# Altium PCB PCB1.PcbDoc (part 2 of 4)
Units mil, origin at the board's own origin, x right, y up, seen from the top; angles counter-clockwise.
Board outline 1130 x 1815 mil, 2 copper layers (Top Layer, Bottom Layer); 375 components, 18 nets, 1650 pads, 0 vias.
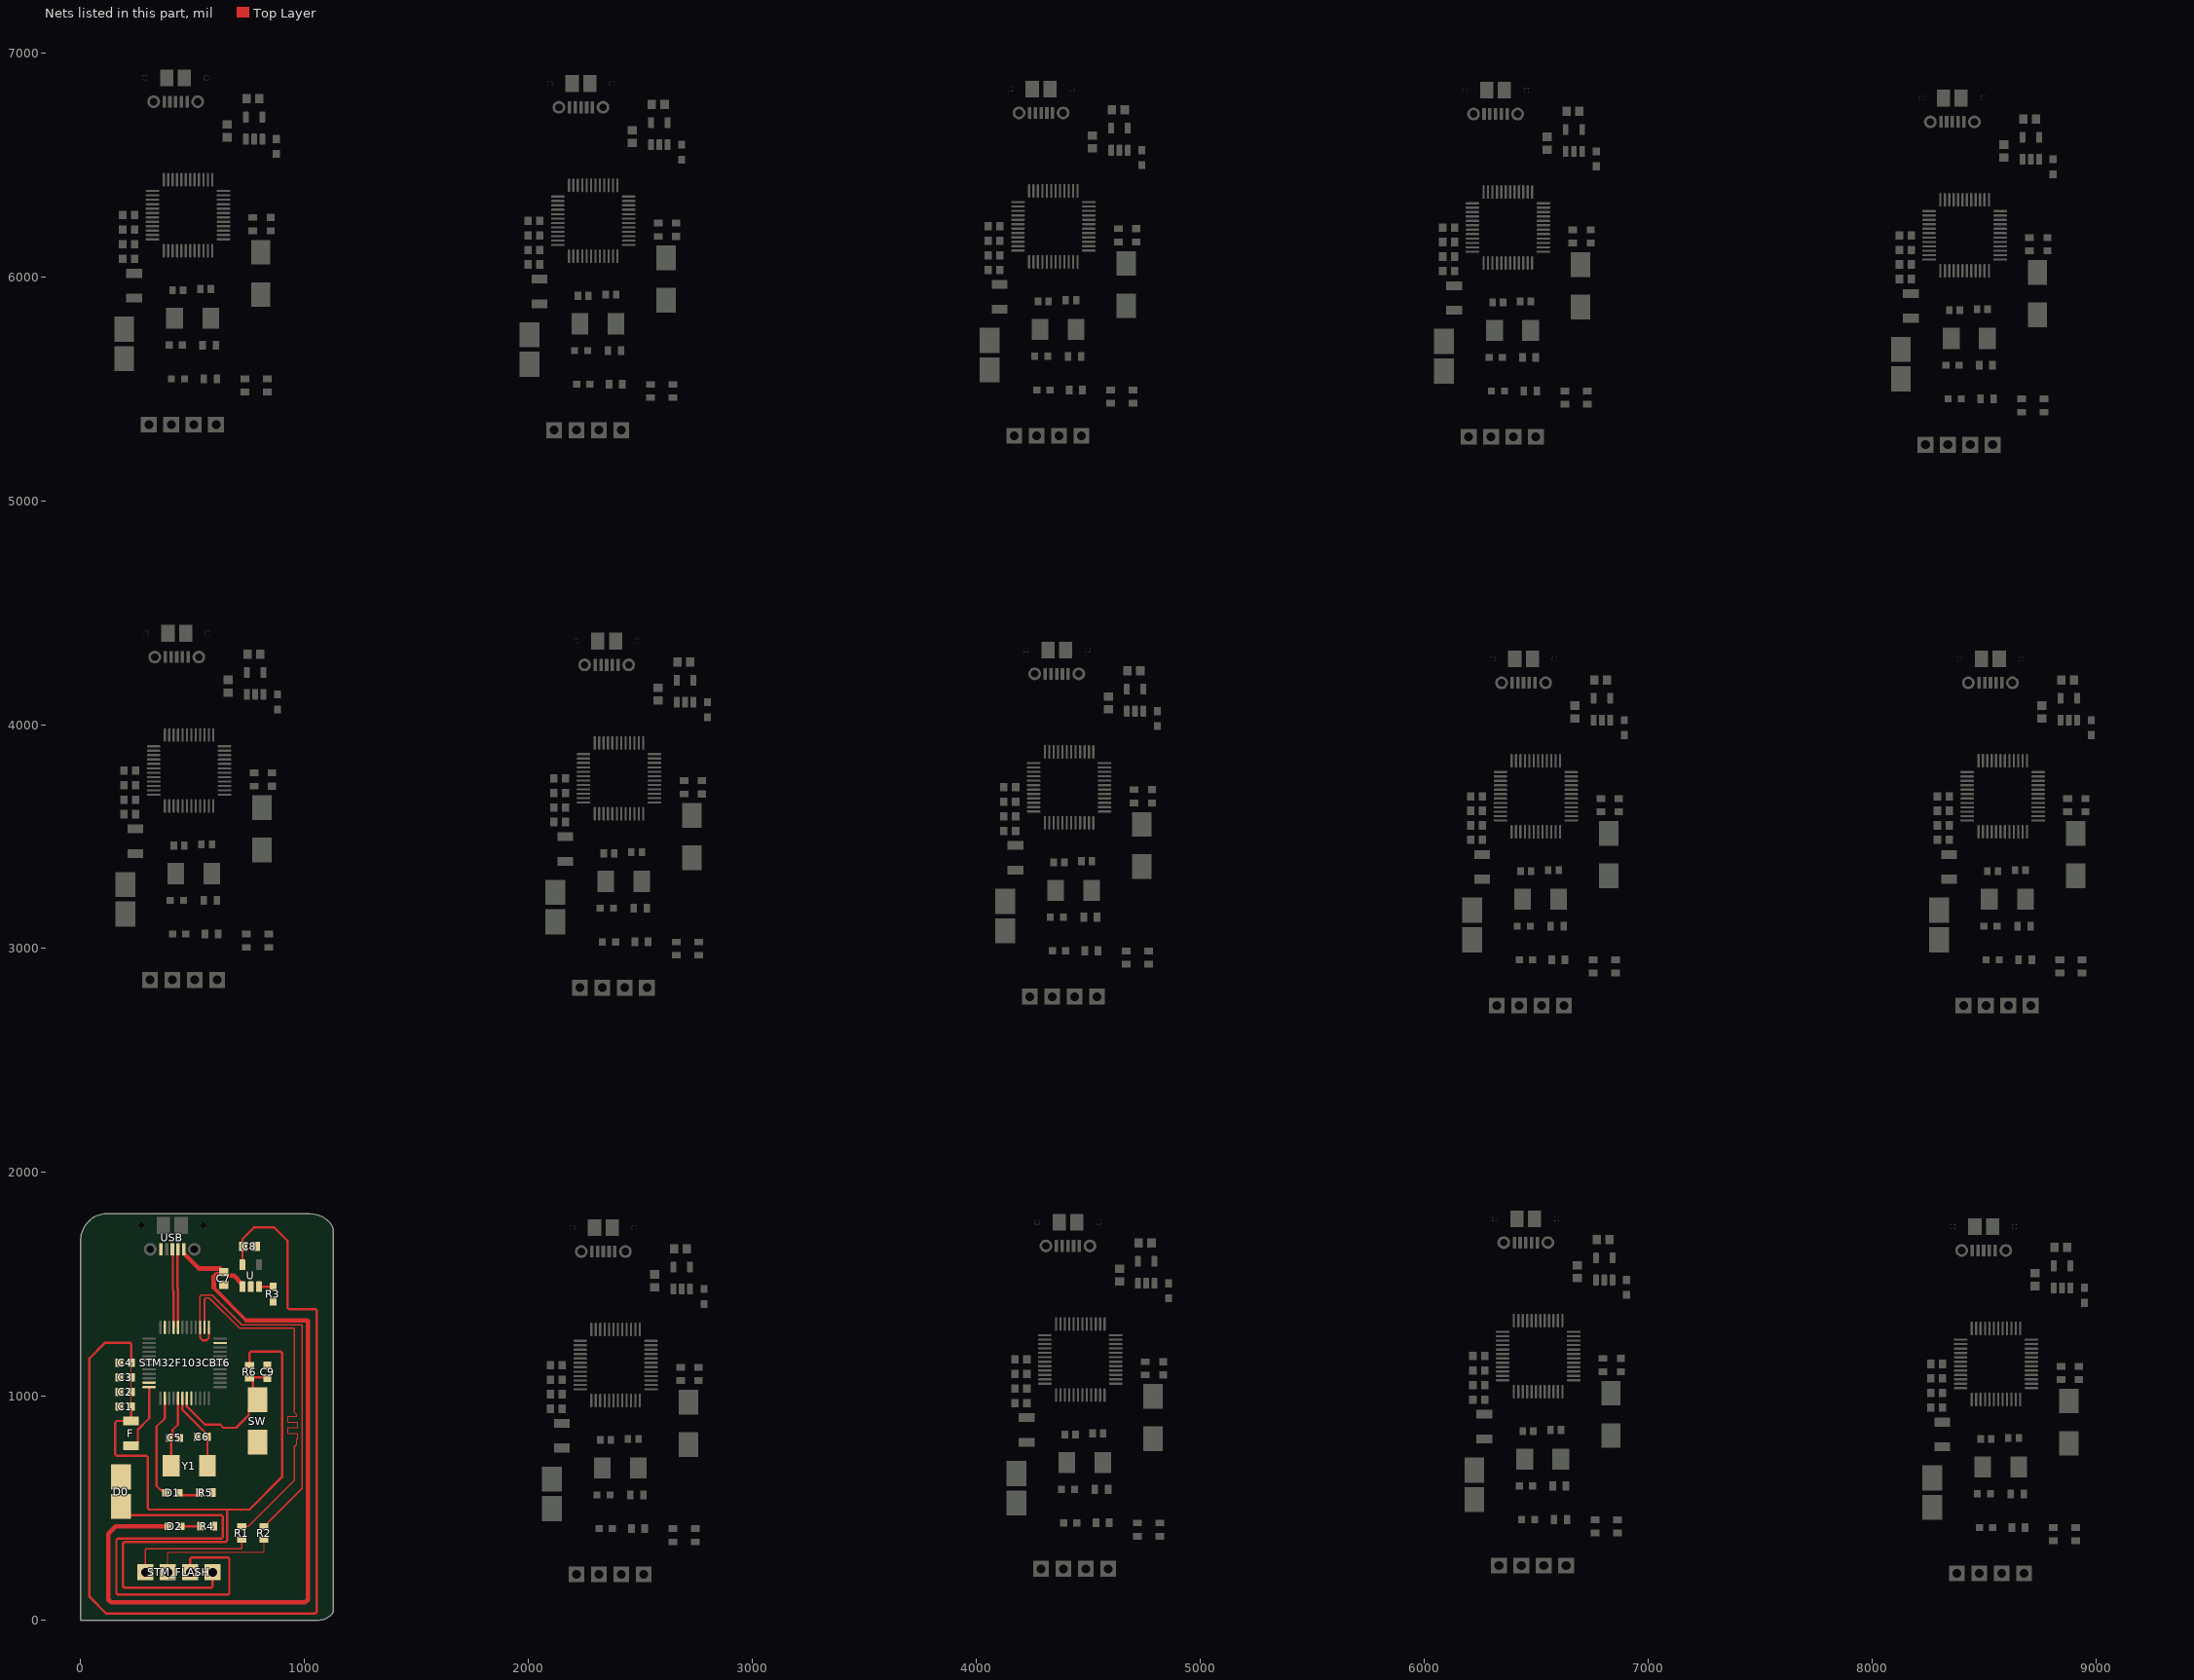
[diagram p2: the nets of this part, all layers, seen from the top]

## Part data
C1 C1_1 C1_2 C1_3 C1_4 C1_5 C1_6 C1_7 C1_8 C1_9 C1_10 C1_11 C1_12 C1_13 C1_14 C2 C2_1 C2_2 C2_3 C2_4 C2_5 C2_6 C2_7 C2_8 C2_9 C2_10 C2_11 C2_12 C2_13 C2_14 C3 C3_1 C3_2 C3_3 C3_4 C3_5 C3_6 C3_7 C3_8 C3_9 C3_10 C3_11 C3_12 C3_13 C3_14 C4 C4_1 C4_2 C4_3 C4_4 C4_5 C4_6 C4_7 C4_8 C4_9 C4_10 C4_11 C4_12 C4_13 C4_14: library part CMP-2006-02595-1, Manufacturer=Murata, Part Number=GRM1885C1H101JA01D
C5 C5_1 C5_2 C5_3 C5_4 C5_5 C5_6 C5_7 C5_8 C5_9 C5_10 C5_11 C5_12 C5_13 C5_14 C6 C6_1 C6_2 C6_3 C6_4 C6_5 C6_6 C6_7 C6_8 C6_9 C6_10 C6_11 C6_12 C6_13 C6_14: library part CMP-2006-03061-2, "CAP CER 0.1UF 50V X7R 0603", Capacitance="0.10 μF", Manufacturer=KEMET, Manufacturer Part Number=C0603C104K5RACTU, Package=C0603C-CF, Temperature="-55°C to +125°C", Temperature Characteristic=X7R, Temperature Coefficient=30ppm/°C, Temperature Range High=+125°C, Temperature Range Low=-55°C, Tolerance=0.1, Voltage Rating="50 V", Automotive=Yes, Automotive Grade="Grade 1", Category=Cap, ComponentLink2Description=Datasheet, ComponentLink2URL=https://api.kemet.com/component-edge/download/datasheet/C0603C100J5GACAUTO.pdf, Device Class L1="Passive Components", Device Class L2=Capacitors, Device Class L3="Ceramic Capacitors", Digikey Description="CAP CER 0.1UF 50V X7R 0603", Height=0.87mm, Lead Free=Yes, Material=Ceramic, Octopart=https://octopart.com/c0603c104k5ractu-kemet-139244, RoHS=TRUE
C7 C7_1 C7_2 C7_3 C7_4 C7_5 C7_6 C7_7 C7_8 C7_9 C7_10 C7_11 C7_12 C7_13 C7_14 C8 C8_1 C8_2 C8_3 C8_4 C8_5 C8_6 C8_7 C8_8 C8_9 C8_10 C8_11 C8_12 C8_13 C8_14: library part CMP-2000-04945-1, "Chip Capacitor, 22 pF, +/- 5%, 50 V, -55 to 125 degC, 0603 (1608 Metric), RoHS, Tape and Reel", Capacitance=22pF, Case Size/Dimension=0603, Dielectric=C0G, Manufacturer=Murata, Package Description="2-Pin Surface Mount Device, Body 1.6 x 0.8 mm", Package Reference=603, Rated Voltage=50V, Tolerance (%)=±5%, Datasheet URL=https://datasheet.ciiva.com/11786/0900766b807a1cab-11786398.pdf, Datasheet Version=Jul-06, Manufacturer URL=http://www.murata.com/
C9 C9_1 C9_2 C9_3 C9_4 C9_5 C9_6 C9_7 C9_8 C9_9 C9_10 C9_11 C9_12 C9_13 C9_14: library part CMP-2000-05002-2, "CAP CER 0.1UF 16V X7R 0603", Capacitance="100 nF", Manufacturer=YAGEO, Manufacturer Part Number=CC0603KRX7R7BB104, Package=CC0603-DA, Temperature="-55°C to +125°C", Temperature Characteristic=X7R, Temperature Coefficient=15%, Temperature Range High=+125°C, Temperature Range Low=-55°C, Tolerance=0.1, Voltage="16 V", Automotive=No, Category=Cap, ComponentLink2Description=Datasheet, ComponentLink2URL=http://www.yageo.com/documents/recent/UPY-GPHC_X7R_6.3V-to-50V_18.pdf, Device Class L1="Passive Components", Device Class L2=Capacitors, Device Class L3="Ceramic Capacitors", Digikey Description="CAP CER 0.1UF 16V X7R 0603", Footprint Url=http://www.yageo.com/exep/pages/download/literatures/UPY-C_GEN_24.pdf, Height=0.9mm, Lead Free=Yes, Material=Ceramic, Mouser Description="Multilayer Ceramic Capacitor, CC Series, 0.1 - F, - 10%, X7R, 16 V, 0603 [1608 Metric]", Octopart=https://octopart.com/cc0603krx7r7bb104-yageo-192941, RoHS=TRUE, Voltage Rating="16 V"
D0 D0_1 D0_2 D0_3 D0_4 D0_5 D0_6 D0_7 D0_8 D0_9 D0_10 D0_11 D0_12 D0_13 D0_14: library part CMP-2100-03685-1, "Schottky Barrier Rectifier, 40 V, 5 A, -55 to 150 degC, 2-Pin SMD", Manufacturer=JCET, Package Description="2-Pin Surface Mount Device, Body 4.315 x 3.62 mm", Package Reference=SMB-2, Datasheet URL=http://wiki.seeedstudio.com/images/3/3f/0310130P1.pdf, Datasheet Version=41395.0, Manufacturer URL=http://www.cj-elec.com/
D1 D1_1 D1_2 D1_3 D1_4 D1_5 D1_6 D1_7 D1_8 D1_9 D1_10 D1_11 D1_12 D1_13 D1_14 D2 D2_1 D2_2 D2_3 D2_4 D2_5 D2_6 D2_7 D2_8 D2_9 D2_10 D2_11 D2_12 D2_13 D2_14: library part CMP-22017-000005-2, "LED GREEN CLEAR CHIP SMD", Case Code (Imperial)=0603, Case Code (Metric)=1608, Color=Green, Forward Current=30mA, Forward Voltage=2.1V, Lens Color=Colorless, Max Operating Temperature=85°C, Min Operating Temperature=-55°C, Package Quantity=1, Power Dissipation=100mW, Reverse Voltage=5V, Test Current=10mA, Voltage=2V, Case/Package=0603, Depth=0.8mm, Dominant Wavelength=569nm, Height=0.8mm, Illumination Color=Green, Lead Free="Lead Free", Length=1.6mm, Lens Style=Clear, Lens Transparency=Clear, Luminous Intensity=6mcd, Mount="Surface Mount", Number of Elements=1, Number of LEDs=1, Number of Pins=2, Packaging="Tape and Reel", Power Rating=100mW, Radiation Hardening=No, Viewing Angle=130°, Wavelength=565nm, Width=0.8mm
F F_1 F_2 F_3 F_4 F_5 F_6 F_7 F_8 F_9 F_10 F_11 F_12 F_13 F_14: library part CMP-2000-05472-2, "PTC RESET FUSE 24V 200MA 1206", Ambient Temperature Range High=+85°C, Ambient Temperature Range Low=-40°C, Current Rating=100A, Hold Current=0.2A, Manufacturer="Littelfuse Inc", Package=1206L, Resistance=0.65-2.6Ω, Temperature="-40°C to +85°C", Trip Current=0.42A, Voltage Rating=24V, Automotive=Yes, Automotive Grade="Grade 3", Category=Fuse, ComponentLink2Description=Datasheet, ComponentLink2URL=https://www.littelfuse.com/~/media/electronics/datasheets/resettable_ptcs/littelfuse_ptc_1206l_datasheet.pdf.pdf, Device Class L1="Circuit Protection", Device Class L2="PTC Resettable Fuses", Device Class L3=unset, Digikey Description="PTC RESET FUSE 24V 200MA 1206", Height=1mm, Lead Free=Yes, Manufacturer Part Number=1206L020YR, Mouser Description="Resettable Fuses - PPTC 24 V .2A .05s", Octopart=https://octopart.com/1206l020yr-littelfuse-569121, RoHS=TRUE, Temperature Range High=+85°C, Temperature Range Low=-40°C, Trip Time=0.1s
R1 R1_1 R1_2 R1_3 R1_4 R1_5 R1_6 R1_7 R1_8 R1_9 R1_10 R1_11 R1_12 R1_13 R1_14 R2 R2_1 R2_2 R2_3 R2_4 R2_5 R2_6 R2_7 R2_8 R2_9 R2_10 R2_11 R2_12 R2_13 R2_14 R4 R4_1 R4_2 R4_3 R4_4 R4_5 R4_6 R4_7 R4_8 R4_9 R4_10 R4_11 R4_12 R4_13 R4_14 R5 R5_1 R5_2 R5_3 R5_4 R5_5 R5_6 R5_7 R5_8 R5_9 R5_10 R5_11 R5_12 R5_13 R5_14 R6 R6_1 R6_2 R6_3 R6_4 R6_5 R6_6 R6_7 R6_8 R6_9 R6_10 R6_11 R6_12 R6_13 R6_14: library part CMP-2000-03062-2, "RES Thick Film, 200Ω, 1%, 0.1W, 100ppm/°C, 0603", Case Code (Imperial)=0603, Case Code (Metric)=1608, Max Operating Temperature=155°C, Min Operating Temperature=-55°C, Package Quantity=5000, Power Rating=100mW, Resistance=200R, Temperature Coefficient=100ppm/°C, Tolerance=1%, Voltage Rating=75V, Case/Package=0603, Composition="Thick Film", Contact Plating=Tin, Depth=0.85mm, Height=0.45mm, Lead Free="Lead Free", Length=1.55mm, Military Standard=Not, Number of Pins=2, Packaging="Tape and Reel", Termination=SMD/SMT, Voltage Rating (DC)=75V, Weight=7.1E-05oz, Width=0.85mm
R3 R3_1 R3_2 R3_3 R3_4 R3_5 R3_6 R3_7 R3_8 R3_9 R3_10 R3_11 R3_12 R3_13 R3_14: library part CMP-2100-03662-2, "RES SMD 100K OHM 1% 1/10W 0603", Case Code (Imperial)=0603, Case Code (Metric)=1608, Max Operating Temperature=155°C, Max Power Dissipation=100mW, Min Operating Temperature=-55°C, Resistance=100kR, Resistance Tolerance=1%, Resistor Type="Thick Film", Temperature Coefficient=100ppm/°C, Voltage Rating=50V, Working Voltage=75V, Case/Package=0603, Construction=Rectangular, Depth=0.8mm, Features="Moisture Resistant", Height=0.45mm, Lead Free="Lead Free", Length=1.6mm, Military Standard=Not, Number of Pins=2, Number of Terminations=2, Packaging="Tape and Reel", Power Rating=100mW, REACH SVHC="No SVHC", RoHS Compliant=Yes, Series=RC, Technology="THICK FILM", Termination=SMD/SMT, Tolerance=1%, Voltage Rating (DC)=50V, Width=0.8mm
STM32F103CBT6 STM32F103CBT6_1 STM32F103CBT6_2 STM32F103CBT6_3 STM32F103CBT6_4 STM32F103CBT6_5 STM32F103CBT6_6 STM32F103CBT6_7 STM32F103CBT6_8 STM32F103CBT6_9 STM32F103CBT6_10 STM32F103CBT6_11 STM32F103CBT6_12 STM32F103CBT6_13 STM32F103CBT6_14: library part CMP-0237-00250-3, "ARM Cortex-M3 32-bit MCU, 128 KB Flash, 20 KB Internal RAM, 37 I/Os, 48-pin LQFP, -40 to 85 degC, Tray", I/Os (High Current)=37, Operating Frequency(F) (Processor speed) (MHz)=72, PartNumber=STM32F103CBT6, Supply Voltage(Vcc) min (V)=2, A/D Converter="2x12-bit (10 Channel)", ComponentLink1Description="Manufacturer URL", ComponentLink1URL=http://www.st.com/web/en/home.html, ComponentLink2Description=Datasheet, ComponentLink2URL=http://www.st.com/st-web-ui/static/active/en/resource/technical/document/datasheet/CD00161566.pdf, ComponentLink3Description="Package Specification", ComponentLink3URL=http://www.st.com/st-web-ui/static/active/en/resource/technical/document/datasheet/DM00058181.pdf, Core="ARM Cortex-M3", DatasheetVersion="Rev. 16", FLASH Size (Prog) (kB)=128, Internal RAM Size (kB)=20, Mounting Technology="Surface Mount", PackageDescription="48-Pin Low Profile Quad Flat Package, 7 x 7 mm Body, 0.5 mm Pitch", PackageReference=LQFP48, PackageVersion="Rev. 6, 06/2013", Packing=Tray
SW SW_1 SW_2 SW_3 SW_4 SW_5 SW_6 SW_7 SW_8 SW_9 SW_10 SW_11 SW_12 SW_13 SW_14: library part CMP-03407-000005-1, "SWITCH TACTILE SPST-NO 0.05A 24V", Contact Current Rating=50mA, Contact Resistance=100mΩ, Manufacturer="TE Connectivity", Operating Force=180gf, Package=0, Temperature="-35°C to +85°C", Temperature Range High=+85°C, Temperature Range Low=-35°C, Voltage Rating Dc=24V, Automotive=No, Category=Switch, ComponentLink2Description=Datasheet, ComponentLink2URL=https://www.te.com/commerce/DocumentDelivery/DDEController?Action=showdoc&DocId=Customer+Drawing%7F147873%7FK3%7Fpdf%7FEnglish%7FENG_CD_147873_K3.pdf%7F147873-1, Device Class L1=Electromechanical, Device Class L2=Switches, Device Class L3="Tactile Switches", Digikey Description="SWITCH TACTILE SPST-NO 0.05A 24V", Electromechanical Life=40000Cycles, Height=5.5mm, Lead Free=Yes, Manufacturer Part Number=147873-1, Mount="Surface Mount", Mouser Description="Switch Tactile OFF (ON) SPST Rectangular Button J-Bend 0.05A 24VDC 1.77N SMD T/R", Octopart=https://octopart.com/147873-1-te+connectivity-40818451, RoHS=TRUE, Throw Configuration=SPST-NO
U U_1 U_2 U_3 U_4 U_5 U_6 U_7 U_8 U_9 U_10 U_11 U_12 U_13 U_14: "Linear Voltage Regulator IC 1 Output 500mA SOT-23-5", Package="SOT-23-5 Richtek", Availability=Unavailable, MF="Richtek USA", MP=RT9013-33GB, Price=None, SnapEDA_Link=https://www.snapeda.com/parts/RT9013-33GB/Richtek%20USA%20Inc./view-part/553199/?ref=snap
USB USB_1 USB_2 USB_3 USB_4 USB_5 USB_6 USB_7 USB_8 USB_9 USB_10 USB_11 USB_12 USB_13 USB_14: library part CMP-2000-05827-1, "Micro-USB B Receptacle, Right Angle, Bottom Mount, Surface Mount, with Solder Tabs, -30 to 85 degC, 5-Pin USB, RoHS, Tape and Reel", Manufacturer=Molex, Package Description="5-Leads USB, Micro B, Body 7.5 x 5 mm, Pitch 0.65 mm", Package Reference=MICRO-B, Package Version="Rev. F, 12/2012", Standard Package=1, Voltage - Max=30V, 3D Model=105017-0001.stp, Catalog Drawings=1050170001, Category=Connectors,Interconnects, Circuits=5, Connector Type=USB-microB, Datasheet URL=http://www.molex.com/elqNow/elqRedir.htm?ref=http://www.molex.com/webdocs/datasheets/pdf/en-us/1050170001_IO_CONNECTORS.pdf, Datasheet Version=03/2016, Family=USB,DVI,HDMIConnectors, Featured Product=Micro-USBConnectorsUSBConnectors, Features=Shielded,SolderRetention, Gender=Receptacle, Ingress Protection=-, Manufacturer URL=http://www.molex.com/, Mating Products=WM17145-ND-CABLEMICROUSBBTOSTDA1.0MWM17147-ND-CABLEMICROUSBBTOSTDA2.0MWM17146-ND-CABLEMICROUSBBTOSTDA1.5M, Mounting Technology=SurfaceMount, Mounting Type=BoardCutout,SurfaceMount,RightAngle, Number of Contacts=5, Online Catalog=Molex-MicroUSB, Other Names=WM1399DKR, Package URL=http://www.molex.com/pdm_docs/sd/1050170001_sd.pdf, Packaging=Digi-Reel®, PCN Assembly/Origin=ResinSupplier21/Oct/2015, RoHS Information=1050170001CertofCompliance, Series=-, Specifications=-
Y1 Y1_1 Y1_2 Y1_3 Y1_4 Y1_5 Y1_6 Y1_7 Y1_8 Y1_9 Y1_10 Y1_11 Y1_12 Y1_13 Y1_14: library part CMP-2000-05033-2, "Crystal 8MHz ±20ppm 18pF SMD-2 5mm x 3.2mm", Case/Package=CSMD, ESR (Equivalent Series Resistance)=140R, Frequency=8MHz, Frequency Stability=30ppm, Frequency Tolerance=20ppm, Load Capacitance=18pF, Max Operating Temperature=85°C, Min Operating Temperature=-40°C, Package Quantity=1000, Resistor Type=Ceramic, Series Resistance=500R, Depth=3.2mm, Height=0.051inch, Lead Free="Lead Free", Length=5mm, Mount="Surface Mount", Number of Pins=2, Packaging="Tape and Reel", Radiation Hardening=No, RoHS Compliant=Yes, Termination=SMD/SMT, Tolerance=20ppm, Width=3.2mm

## Nets (pads, with @x,y where several pads share a name; then routed paths per layer and width w, separated by ;. In a path a pad name is that pad's centre, name@x,y a point inside that pad or via, vN(x,y) a via of type N, cw(c..) or ccw(c..) an arc to the next point about the centre after c; other vN are vias at no path point)
3V3: C1.2 C2.2 C3.2 C4.2 C8.2 F.2 R6.1 STM_FLASH.4 U.5 | length 8108.1
  Top Layer w5: C1.2@226.57,955 C2.2@226.57,1020 C3.2@226.57,1085 C4.2@226.57,1150
  Top Layer w10: C1.2@226.57,955 226.57,891.57 F.2@225,890 160.86,890 155,884.14 155,740.86 160.86,735 294.14,735 300,729.14 300,500.86 305.86,495 655,495 ; C4.2@226.57,1150 226.57,1234.14 220.72,1240 110,1240 40,1170 40,105 115,30 1049.14,30 1055,35.86 1055,1384.14 1049.14,1390 930.86,1390 925,1395.86 925,1695 865,1755 775,1755 722.99,1702.99 722.99,1670 U.5@722.99,1588.03 ; STM_FLASH.4@590,215 590,150.86 584.14,145 195.86,145 190,150.86 190,344.14 195.86,350 649.14,350 655,355.86 655,495 ; R6.1@755,1139.53 755,1194.14 760.86,1200 894.14,1200 900,1194.14 900,640 755,495 655,495
5V: C7.2 D2.2 U.1 USB.1 | length 3652.6
  Top Layer w5: USB.1@461.18,1656.85 461.18,1638.15 USB.1@466.56,1632.78 ; C7.2@623.8,1571.2 C7.2@640,1555 C7.2@656.2,1538.8 ; U.1@722.99,1490 U.1@722.99,1501.22 ; 1012.07,1340 1015,1337.07
  Top Layer w16: 595,1485 740,1340
  Top Layer w20: D2.2@390.85,419.63 157.62,419.63 125,387 125,91.72 136.72,80 1003.28,80 1015,91.72 1015,1337.07 ; USB.1@466.56,1632.78 528.13,1571.2 C7.2@623.8,1571.2 ; 595,1485 595,1534.77 606.72,1546.49 631.49,1546.49 C7.2@640,1555 ; C7.2@656.2,1538.8 685.41,1538.8 U.1@722.99,1501.22 ; 740,1340 1012.07,1340
GND: C1.1 C2.1 C3.1 C4.1 C5.1 C6.1 C7.1 C8.1 C9.2 D0.2 R3.1 R4.2 R5.2 STM32F103CBT6.8 STM32F103CBT6.23 STM32F103CBT6.35 STM32F103CBT6.47 SW.2 U.2 USB.5
HSE_IN: C5.2 STM32F103CBT6.5 Y1.2 | length 327.2
  Top Layer w5: C5.2@396.38,815 C5.2@405,806.38
  Top Layer w10: C5.2@396.38,815 401.38,820 411.38,820 411.38,850 435.47,874.09 435.47,965.94 STM32F103CBT6.5@435.47,991.54 ; Y1.2@405,690 C5.2@405,806.38
HSE_OUT: C6.2 STM32F103CBT6.6 Y1.1 | length 348.5
  Top Layer w5: C6.2@566.42,819.17 C6.2@567.24,820
  Top Layer w10: STM32F103CBT6.6@455.16,991.54 455.16,965.94 455.16,940.9 557.48,838.57 557.48,828.94 C6.2@566.83,819.59 ; Y1.1@566.42,690 C6.2@566.42,819.17
NetD0_1: D0.1 STM_FLASH.3 | length 2193
  Top Layer w10: D0.1@180,509.06 180,499.06 209.06,470 629.14,470 635,464.14 635,370.86 629.14,365 165.86,365 160,359.14 160,120.86 165.86,115 659.14,115 665,120.86 665,274.14 659.14,280 495.86,280 490,274.14 STM_FLASH.3@490,215
NetD1_1: D1.1 R5.1 | length 100
  Top Layer w10: D1.1@440,570 450.75,559.25 520.71,559.25 530.47,569.02 R5.1@530.47,570
NetD2_1: D2.1 R4.1 | length 85.7
  Top Layer w10: D2.1@449.9,419.63 535.1,419.63 R4.1@535.47,420
NetF?_1: F.1 STM32F103CBT6.48 | length 305
  Top Layer w10: F.1@225,779.76 240.75,779.76 255.43,794.45 255.43,851.17 306.54,902.28 STM32F103CBT6.48@306.54,1041.73
NetR1_2: R1.2 STM_FLASH.1 | length 572
  Top Layer w5: 290,317.07 292.93,320 ; 717.07,320 720,322.93
  Top Layer w7: STM_FLASH.1@290,215 290,317.07 ; 292.93,320 717.07,320 ; 720,322.93 R1.2@720,360.47
NetR2_2: R2.2 STM_FLASH.2 | length 572